# KiCad board the PETER keyboard.kicad_pcb (continued)
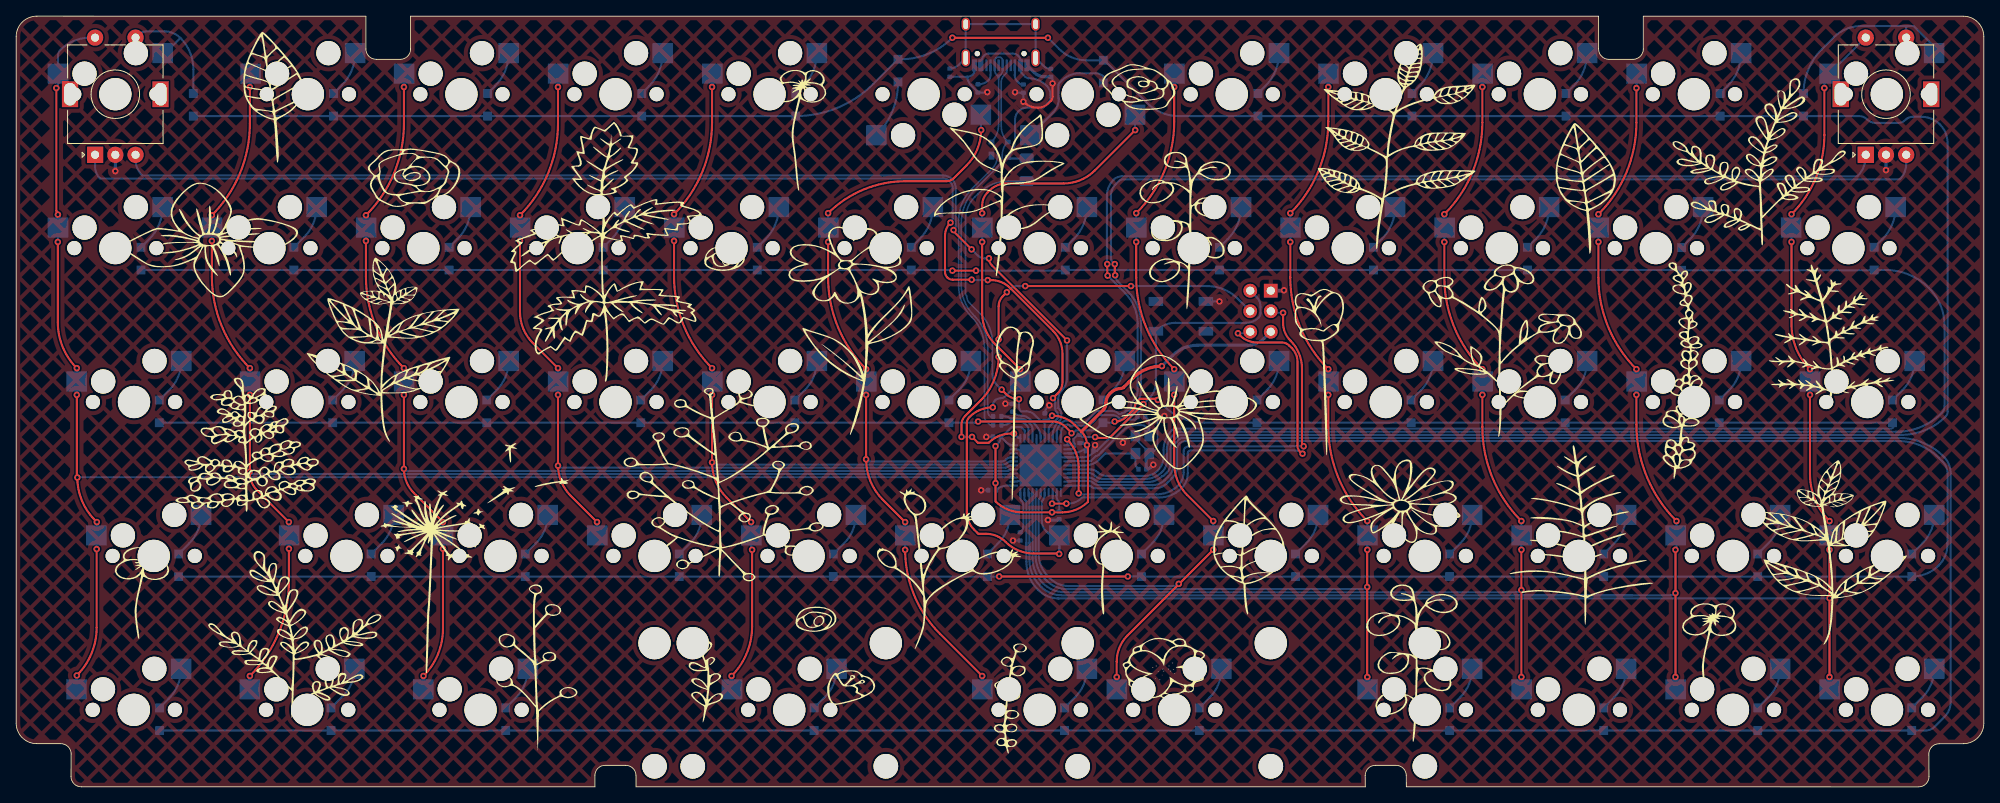
[diagram p0: board, top side]
## Routing (per net, layer and track width the routed paths; a pad name or vN(x,y) marks a point on that pad's centre or on a via; arc(x,y) is an arc through that point) (continued)
  Bottom w0.254: F_USBC1.1 122.97,77.77 arc(122.77,77.81) D59.4 arc(123.28,78.93) 123.51,80.11 123.51,82.56
 ROW3: length 344.7
  Top w0.254: v1(121.56,26.04) v1(137.46,26.04)
  Bottom w0.254: U1.22 132.62,37.28 arc(132.83,37.24) 133,37.12 arc(133.18,37) 133.39,36.96 140.81,36.96 arc(141.61,37.12) 142.28,37.57 142.95,38.24 arc(143.4,38.91) 143.55,39.7 143.55,41.76 arc(143.63,42.16) 143.86,42.5 arc(144.19,42.73) 144.59,42.8 231.29,42.8 231.3,42.8 232.75,42.8 ; D37.1 D38.1 D39.1 D40.1 D41.1 D42.1 121.51,26.02 arc(121.54,26.03) v1(121.56,26.04) ; 232.75,42.8 233.01,42.8 ; 232.75,42.8 arc(235.44,42.26) 237.72,40.74 238.19,40.26 arc(238.66,39.56) 238.83,38.73 238.83,30.18 238.8,30.16 238.8,29.98 arc(238.52,28.59) 237.73,27.4 arc(236.2,26.38) D48.1 D47.1 D46.1 D45.1 D44.1 D43.1 ; 139.12,26.04 v1(137.46,26.04)
COL0: length 202.2
  Top w0.254: v1(9.95,29.43) 9.95,19.71 arc(9.31,16.5) v1(7.5,13.79) ; v1(5.16,70.83) 5.16,70.83 arc(5.15,70.84) 5.15,70.85 ; v1(5.16,70.83) 5.15,70.84 ; v1(5.16,70.83) arc(5.02,71.04) 4.97,71.29 v1(4.97,86.49) ; v1(5.15,67.44) 5.15,57.49 arc(5.76,54.42) v1(7.5,51.82) ; v1(9.97,32.77) 9.75,32.99 arc(8.13,35.42) v1(7.56,38.28) arc(7.51,38.35) 7.5,38.44 v1(7.5,48.52)
  Bottom w0.254: v1(5.16,70.83) 5.16,67.48 arc(5.16,67.46) v1(5.15,67.44) 5.16,67.46 arc(5.17,67.47) 5.17,67.49 ; SW1.S2 9.13,92.73 arc(7.15,92.34) 5.48,91.22 arc(5.25,90.88) 5.17,90.48 MX1.1 5.17,86.99 arc(5.12,86.72) v1(4.97,86.49) ; v1(7.5,13.79) 7.5,12.11 MX49.1 ; 7.49,48.57 7.43,48.52 ; v1(9.97,32.77) 9.97,31.24 arc(9.96,31.18) MX37.1 9.92,29.49 arc(9.93,29.46) v1(9.95,29.43) 9.94,29.44 arc(9.93,29.46) 9.92,29.47 ; v1(7.5,51.82) v1(7.5,48.52) 7.49,48.53 arc(7.49,48.53) 7.49,48.54 ; U1.36 123.32,38.3 arc(123.29,38.32) 123.26,38.32 7.63,38.32 arc(7.6,38.32) 7.58,38.3 v1(7.56,38.28) ; 5.16,86.63 arc(5.17,86.65) 5.17,86.67 ; 5.17,86.68 arc(5.17,86.65) 5.15,86.62
COL1: length 176.9
  Top w0.254: v1(33.72,32.77) 29.79,36.71 arc(29.09,37.75) v1(28.85,38.98) arc(28.88,39.03) 28.9,39.1 v1(28.9,48.52) ; v1(24.2,67.57) 24.2,63.17 arc(25.42,57.03) v1(28.9,51.82) ; v1(33.72,29.47) 33.72,25.37 arc(32.47,19.07) v1(28.9,13.72) ; v1(28.9,86.62) 28.9,82.09 arc(27.68,75.95) v1(24.2,70.74)
  Bottom w0.254: v1(24.2,70.74) v1(24.2,67.57) 24.21,67.58 arc(24.22,67.6) 24.22,67.62 ; U1.37 123.3,38.74 arc(123.26,38.72) 123.21,38.71 29.31,38.71 arc(29.13,38.74) 28.98,38.84 v1(28.85,38.98) ; MX2.1 28.99,86.84 arc(28.96,86.72) v1(28.9,86.62) 28.94,86.66 arc(28.98,86.71) 28.99,86.77 ; v1(28.9,13.72) 28.9,12.07 arc(28.9,12.07) MX50.1 ; v1(28.9,51.82) v1(28.9,48.52) 28.91,48.53 arc(28.92,48.55) 28.92,48.57 ; v1(33.72,32.77) 33.72,31.19 arc(33.73,31.15) MX38.1 33.75,29.53 arc(33.74,29.5) v1(33.72,29.47) 33.74,29.48 arc(33.75,29.5) 33.75,29.52
COL2: length 157.2
  Top w0.254: v1(43.25,67.57) 43.25,63.17 arc(44.47,57.03) v1(47.95,51.82) ; v1(52.77,32.77) 49.19,36.35 arc(48.27,37.73) v1(47.95,39.36) v1(47.95,48.52) ; v1(52.77,29.47) 52.77,19.55 arc(52.15,16.39) v1(50.36,13.72) ; v1(47.95,86.62) 47.95,82.09 arc(46.73,75.95) v1(43.25,70.74)
  Bottom w0.254: MX3.1 47.97,86.68 arc(47.97,86.65) v1(47.95,86.62) 47.96,86.63 arc(47.97,86.65) 47.97,86.67 ; v1(47.95,39.36) 48.08,39.23 arc(48.22,39.13) 48.4,39.1 122.66,39.1 arc(122.67,39.1) 122.67,39.1 ; MX51.1 50.34,13.66 arc(50.34,13.7) v1(50.36,13.72) ; v1(52.77,32.77) 52.77,31.19 arc(52.78,31.15) MX39.1 52.8,29.53 arc(52.79,29.5) v1(52.77,29.47) 52.79,29.48 arc(52.8,29.5) 52.8,29.52 ; v1(47.95,51.82) v1(47.95,48.52) 47.96,48.53 arc(47.97,48.55) 47.97,48.57 ; v1(43.25,70.74) v1(43.25,67.57) 43.26,67.58 arc(43.27,67.6) 43.27,67.62 ; 122.67,39.1 122.67,39.1 ; U1.38 122.98,39.28 arc(122.86,39.26) 122.76,39.19 ; 122.81,39.23 arc(122.66,39.13) 122.47,39.09
COL3: length 118.6
  Top w0.254: v1(67,86.62) 67,82.09 arc(65.78,75.95) v1(62.3,70.74) ; v1(67,48.52) 67,39.85 arc(67.41,37.77) 68.59,36 v1(71.82,32.77) ; v1(62.3,67.57) 62.3,58.77 arc(62.71,56.69) 63.89,54.93 v1(67,51.82)
  Bottom w0.254: v1(71.82,32.77) 71.82,31.19 arc(71.83,31.15) MX40.1 ; v1(62.3,70.74) v1(62.3,67.57) 62.31,67.58 arc(62.32,67.6) 62.32,67.62 ; U1.39 123,39.78 arc(122.82,39.75) 122.66,39.64 arc(122.51,39.54) 122.32,39.5 67.17,39.5 arc(67.12,39.52) 67.1,39.58 67.1,39.58 arc(67.09,39.64) 67.05,39.7 v1(67,39.75) ; v1(67,51.82) v1(67,48.52) 67.01,48.53 arc(67.02,48.55) 67.02,48.57 ; MX4.1 67.02,86.68 arc(67.02,86.65) v1(67,86.62) 67.01,86.63 arc(67.02,86.65) 67.02,86.67
COL4: length 119.3
  Top w0.254: v1(91,29.34) 91,19.85 arc(90.34,16.54) v1(88.46,13.72) ; v1(86.05,86.62) 86.05,82.22 arc(84.83,76.08) v1(81.35,70.87) ; v1(86.05,48.52) v1(86.05,40.16) arc(86.52,37.79) 87.86,35.79 v1(90.87,32.77) ; v1(81.35,67.57) 81.35,63.17 arc(82.57,57.03) v1(86.05,51.82)
  Bottom w0.254: v1(86.05,40.16) 86.18,40.02 arc(86.33,39.92) 86.51,39.88 122.04,39.88 arc(122.3,39.94) 122.52,40.08 arc(122.74,40.23) 123,40.28 U1.40 ; v1(81.35,70.87) v1(81.35,67.57) 81.36,67.58 arc(81.37,67.6) 81.37,67.62 ; v1(91,29.34) 90.95,29.39 arc(90.91,29.45) 90.9,29.51 ; v1(91,29.34) arc(90.91,29.48) 90.87,29.65 v1(90.87,32.77) ; v1(91,29.34) arc(90.93,29.45) 90.9,29.58 ; v1(86.05,51.82) v1(86.05,48.52) 86.06,48.53 arc(86.07,48.55) 86.07,48.57 ; v1(88.46,13.72) 88.46,12.2 arc(88.47,12.13) MX52.1 ; MX5.1 86.07,86.68 arc(86.07,86.65) v1(86.05,86.62) 86.06,86.63 arc(86.07,86.65) 86.07,86.67
COL5: length 109.7
  Top w0.254: v1(100.4,67.44) 100.4,63.04 arc(101.62,56.9) v1(105.1,51.69) ; v1(119.45,13.72) 114.23,18.94 arc(111.04,23.71) v1(109.92,29.34) ; v1(109.92,32.77) 107.18,35.52 arc(105.64,37.82) v1(105.1,40.54) v1(105.1,48.52) ; v1(119.32,81.29) arc(118.85,78.92) 117.51,76.91 115.93,75.33 arc(115.52,75.06) 115.04,74.96 109.96,74.96 arc(104.79,73.93) v1(100.4,71)
  Bottom w0.254: v1(105.1,51.69) v1(105.1,48.52) 105.11,48.53 arc(105.12,48.55) 105.12,48.57 ; MX6.1 119.29,81.33 arc(119.3,81.31) 119.31,81.3 v1(119.32,81.29) ; U1.41 123.01,40.78 arc(122.7,40.72) 122.44,40.55 122.42,40.52 arc(122.14,40.33) 121.8,40.27 105.18,40.27 arc(105.15,40.27) 105.12,40.29 arc(105.1,40.32) 105.1,40.35 v1(105.1,40.54) ; v1(100.4,71) v1(100.4,67.44) 100.41,67.46 arc(100.42,67.47) 100.42,67.49 ; v1(109.92,32.77) v1(109.92,29.34) 109.94,29.36 arc(109.95,29.37) 109.95,29.39 ; MX53.1 arc(119.45,12.1) 119.45,12.14 v1(119.45,13.72) 119.46,13.71 arc(119.47,13.69) 119.47,13.68
COL6: length 94.1
  Top w0.254: v1(119.45,71) 119.45,71.95 arc(119.62,72.83) 120.12,73.58 120.34,73.79 arc(121.32,74.45) 122.48,74.68 129.51,74.68 arc(131.6,75.1) 133.36,76.28 v1(138.37,81.29) ; 129.02,28.89 125.79,28.89 arc(123.93,29.26) 122.35,30.31 arc(121.23,31.06) 119.9,31.32 119.02,31.32 arc(118.97,31.33) 118.93,31.36 118.44,31.85 arc(117.78,32.84) 117.54,34.02 117.54,44.99 arc(117.63,45.41) 117.87,45.77 arc(119.2,46.66) v1(120.76,46.97) ; v1(119.45,67.44) 119.45,58.65 arc(119.86,56.57) 121.04,54.8 v1(124.15,51.69)
  Bottom w0.254: 129,30.56 129,29.33 ; v1(120.76,46.97) 120.76,47.14 arc(120.84,47.52) 121.05,47.83 121.05,47.84 arc(121.33,48.02) 121.66,48.09 arc(122.03,48.16) 122.35,48.38 124.13,50.15 arc(124.15,50.17) MX31.1 124.17,51.63 arc(124.17,51.66) v1(124.15,51.69) ; v1(120.76,46.97) 120.73,46.97 arc(120.71,46.98) 120.72,46.99 ; v1(120.76,46.97) arc(120.77,47.03) 120.81,47.09 ; v1(119.45,71) v1(119.45,67.44) 119.46,67.46 arc(119.47,67.47) 119.47,67.49 ; 127.35,31.65 127.49,31.51 arc(127.93,31.22) 128.44,31.12 ; 127.35,31.65 arc(127.94,31.26) 128.64,31.12 MX43.1 129,28.9 arc(128.99,28.86) v1(128.97,28.83) ; 127.35,31.65 arc(126.96,32.24) 126.82,32.94 126.82,35.31 arc(127.08,35.71) 127.17,36.17 U1.27 ; MX7.1 138.34,81.35 arc(138.35,81.32) v1(138.37,81.29) 138.36,81.3 arc(138.35,81.31) 138.34,81.33
COL7: length 113
  Top w0.254: v1(148.02,32.9) 144.79,36.13 arc(143.61,37.9) 143.2,39.98 v1(143.2,48.52) ; v1(143.2,86.62) 143.2,82.34 arc(141.98,76.2) v1(138.5,71) ; v1(138.5,67.44) 138.5,63.04 arc(139.72,56.9) v1(143.2,51.69) ; v1(136.08,13.59) 136.08,15.5 arc(136.43,17.26) 137.43,18.75 v1(148.02,29.34)
  Bottom w0.254: U1.28 126.67,36.14 arc(126.61,35.83) 126.44,35.57 126.44,28.83 arc(126.74,27.33) 127.59,26.05 127.86,25.79 arc(128.89,25.1) 130.11,24.85 143.1,24.85 arc(143.45,24.92) v1(143.76,25.13) 143.62,24.99 ; v1(148.02,32.9) v1(148.02,29.34) 148.04,29.36 arc(148.05,29.37) 148.05,29.39 ; v1(143.2,51.69) v1(143.2,48.52) 143.21,48.53 arc(143.22,48.55) 143.22,48.57 ; v1(136.08,13.59) 136.08,12.14 arc(136.09,12.1) MX54.1 ; MX8.1 143.22,86.68 arc(143.22,86.65) v1(143.2,86.62) 143.21,86.63 arc(143.22,86.65) 143.22,86.67 ; v1(138.5,71) v1(138.5,67.44) 138.51,67.46 arc(138.52,67.47) 138.52,67.49
COL8: length 131.6
  Top w0.254: v1(162.25,48.52) 162.25,44.55 arc(163.5,38.24) v1(167.07,32.9) ; v1(157.55,67.44) 157.55,63.04 arc(158.77,56.9) v1(162.25,51.69) ; v1(162.25,86.62) 162.25,82.34 arc(161.03,76.2) v1(157.55,71) ; v1(167.07,13.59) arc(167.06,13.61) 167.06,13.62 v1(167.06,24.74) 167.06,29.31 arc(167.06,29.33) v1(167.07,29.34)
  Bottom w0.254: v1(157.55,71) v1(157.55,67.44) 157.56,67.46 arc(157.57,67.47) 157.57,67.49 ; v1(167.07,32.9) v1(167.07,29.34) 167.09,29.36 arc(167.1,29.37) 167.1,29.39 ; MX9.1 162.27,86.68 arc(162.27,86.65) v1(162.25,86.62) 162.26,86.63 arc(162.27,86.65) 162.27,86.67 ; v1(162.25,51.69) v1(162.25,48.52) 162.26,48.53 arc(162.27,48.55) 162.27,48.57 ; v1(167.07,13.59) 167.07,12.14 arc(167.08,12.1) MX55.1 ; v1(167.06,24.74) arc(166.77,24.54) 166.42,24.47 129.96,24.47 arc(128.57,24.75) 127.4,25.53 127.28,25.65 arc(126.38,27.01) 126.06,28.61 126.06,36.16 arc(126.09,36.31) U1.29
COL9: length 168.3
  Top w0.254: v1(181.3,48.52) 181.3,44.55 arc(182.55,38.24) v1(186.12,32.9) ; v1(186.12,29.34) v1(186.12,24.36) v1(186.12,13.59) ; v1(176.6,67.44) 176.6,63.04 arc(177.82,56.9) v1(181.3,51.69) ; v1(181.3,86.62) 181.3,82.22 arc(180.08,76.08) v1(176.6,70.87)
  Bottom w0.254: v1(181.3,51.69) v1(181.3,48.52) 181.31,48.53 arc(181.32,48.55) 181.32,48.57 ; v1(176.6,70.87) v1(176.6,67.44) 176.61,67.46 arc(176.62,67.47) 176.62,67.49 ; MX10.1 181.32,86.68 arc(181.32,86.65) v1(181.3,86.62) 181.31,86.63 arc(181.32,86.65) 181.32,86.67 ; 166.8,24.08 185.46,24.08 arc(185.82,24.16) v1(186.12,24.36) ; 166.78,24.09 129.61,24.09 arc(128.19,24.37) 126.99,25.18 arc(126.02,26.63) 125.68,28.35 125.68,32.81 ; 125.68,32.81 125.68,36.44 ; 125.68,32.81 125.68,36.44 ; 125.68,36.44 arc(125.68,36.44) U1.30 arc(125.68,36.44) 125.68,36.44 ; v1(186.12,13.59) 186.12,12.14 arc(186.13,12.1) MX56.1 ; v1(186.12,32.9) v1(186.12,29.34) 186.14,29.36 arc(186.15,29.37) 186.15,29.39 ; 143.32,24.09 139.57,24.09 ; 141.06,24.09 131.52,24.09
COL10: length 188
  Top w0.254: v1(205.17,13.59) v1(205.17,23.98) v1(205.17,29.34) ; v1(195.65,67.44) 195.65,63.04 arc(196.87,56.9) v1(200.35,51.69) ; v1(200.35,86.49) 200.35,82.22 arc(199.13,76.08) v1(195.65,70.87) ; v1(200.35,48.52) 200.35,44.86 arc(201.63,38.38) v1(205.3,32.9)
  Bottom w0.254: v1(200.35,51.69) v1(200.35,48.52) 200.36,48.53 arc(200.37,48.55) 200.37,48.57 ; 125.29,30.28 125.29,28.73 ; 125.29,30.28 125.29,29.09 ; 125.29,30.28 125.29,36.32 U1.31 ; v1(205.3,32.9) 205.3,29.65 arc(205.27,29.48) v1(205.17,29.34) 205.19,29.36 arc(205.2,29.37) 205.2,29.39 ; v1(195.65,70.87) v1(195.65,67.44) 195.66,67.46 arc(195.67,67.47) 195.67,67.49 ; MX11.1 200.37,86.56 arc(200.37,86.52) v1(200.35,86.49) 200.36,86.51 arc(200.37,86.52) 200.37,86.54 ; 185.31,23.7 199.86,23.7 ; 185.31,23.7 204.51,23.7 arc(204.87,23.77) v1(205.17,23.98) ; 185.31,23.7 165.04,23.7 ; 125.29,29.76 125.29,28.04 arc(125.63,26.35) 126.59,24.92 126.76,24.75 arc(127.91,23.98) 129.27,23.71 165.03,23.71 ; v1(205.17,13.59) 205.17,12.14 arc(205.18,12.1) MX57.1
COL11: length 197.3
  Top w0.254: v1(219.52,67.44) 219.52,57.21 arc(220.12,54.23) v1(221.81,51.69) ; v1(223.59,86.49) 223.59,80.68 arc(222.53,75.37) v1(219.52,70.87) ; v1(221.81,48.52) 221.81,38.72 arc(222.44,35.57) v1(224.22,32.9) ; v1(224.22,29.34) v1(224.22,23.35) v1(224.22,13.59)
  Bottom w0.254: 228.67,92.71 MX12.1 arc(223.75,87.57) 223.59,86.73 v1(223.59,86.49) ; U1.32 124.67,35.57 124.91,35.33 124.91,30.15 ; 124.91,30.15 124.91,29.56 arc(124.91,29.55) 124.91,29.55 124.91,28.89 ; 124.91,30.15 124.91,27.84 arc(125.28,25.98) 126.33,24.41 126.38,24.36 arc(127.54,23.59) 128.9,23.32 ; v1(221.81,51.69) v1(221.81,48.52) arc(221.81,48.52) 221.81,48.52 ; v1(224.22,32.9) v1(224.22,29.34) 224.24,29.36 arc(224.25,29.37) 224.25,29.39 ; 128.9,23.32 128.83,23.32 arc(128.83,23.32) 128.82,23.33 arc(128.82,23.33) 128.82,23.33 ; 128.9,23.32 224.16,23.32 arc(224.19,23.33) v1(224.22,23.35) 224.2,23.32 arc(224.17,23.3) 224.14,23.3 ; v1(219.52,70.87) v1(219.52,67.44) 219.5,67.47 arc(219.48,67.49) 219.47,67.53 ; v1(224.22,13.59) 224.22,12.14 arc(224.23,12.1) MX58.1
D+: length 47.2
  Bottom w0.2: J1.B6 122.48,88.42 arc(122.48,88.39) 122.46,88.37 122.15,88.05 arc(121.9,87.67) 121.81,87.22 121.81,81.75 arc(122.01,80.71) D59.3 122.59,79.8 arc(122.1,79.08) 121.93,78.23 arc(121.77,77.38) 121.28,76.66 118.64,74.02 arc(117.32,72.05) 116.86,69.72 116.86,62.16 arc(117.28,60.08) 118.46,58.31 118.54,58.23 arc(119.72,56.46) 120.13,54.38 120.13,46.4 arc(120.18,46.17) 120.31,45.98 120.49,45.8 120.68,45.8 arc(120.75,45.81) R_USB4.1
D-: length 53.4
  Bottom w0.2: R_USB3.1 120.51,44.79 arc(120.44,44.8) 120.39,44.84 119.95,45.28 arc(119.79,45.51) 119.73,45.79 119.73,54.32 arc(119.32,56.4) 118.14,58.17 118.13,58.18 arc(116.95,59.94) 116.53,62.03 116.53,70.12 arc(116.95,72.2) 118.13,73.97 120.66,76.49 arc(121.16,77.25) 121.33,78.13 arc(121.16,79.02) 120.66,79.77 D59.2 arc(121.25,80.79) 121.48,81.93 121.48,87.54 ; 121.48,87.54 arc(121.42,87.86) 121.23,88.14 ; 121.48,87.54 arc(121.54,87.86) 121.73,88.14 ; 121.23,88.14 arc(121.05,88.41) 120.98,88.74 J1.B7 120.98,89.8 arc(121.03,90.02) 121.15,90.2 121.18,90.23 arc(121.26,90.28) 121.35,90.3 121.69,90.3 arc(121.75,90.29) 121.81,90.25 arc(121.94,90.06) 121.98,89.83 J1.A7 121.98,88.76 arc(121.92,88.42) 121.73,88.14 ; 121.23,88.14 arc(121.48,88.03) 121.73,88.14 ; 120.67,79.84 arc(120.65,79.83) 120.63,79.82 arc(120.62,79.82) 120.62,79.81
MISO: length 59.3
  Top w0.254: v1(128.08,35.06) v1(129.86,35.06) ; v1(151.07,56.14) 151.33,55.88 arc(152.31,55.23) 153.46,55 156.51,55 arc(157,54.9) 157.42,54.62 157.74,54.3 arc(158.26,53.52) 158.44,52.61 158.44,42.22 arc(158.52,41.82) 158.74,41.48 158.94,41.29 arc(159,41.25) v1(159.07,41.23)
  Bottom w0.254: J2.1 152.5,56.23 arc(152.39,56.16) 152.27,56.14 v1(151.07,56.14) ; U1.25 128.17,35.28 arc(128.15,35.16) v1(128.08,35.06) ; v1(129.86,35.06) 130.08,35.06 arc(130.97,35.23) 131.72,35.74 131.79,35.81 ; 131.82,35.82 141.35,35.82 arc(142.85,36.12) 144.11,36.96 arc(144.68,37.81) 144.87,38.8 144.87,41.29 arc(144.9,41.42) 144.97,41.53 arc(145.09,41.61) 145.22,41.64 158.09,41.64 arc(158.62,41.53) v1(159.07,41.23)
MOSI: length 59.1
  Top w0.254: v1(156.66,58.68) 156.66,57.41 arc(156.89,56.24) 157.56,55.24 arc(158.62,53.65) 159,51.77 159,42.64 arc(159.05,42.38) v1(159.2,42.15) ; v1(131.39,36.33) 131.39,39.57 arc(131.01,41.43) v1(129.96,43.02)
  Bottom w0.254: v1(131.39,36.33) 131.45,36.26 arc(131.52,36.22) 131.6,36.2 141.01,36.2 arc(142.47,36.49) 143.7,37.32 arc(144.19,38.05) 144.37,38.91 144.37,41.57 arc(144.4,41.77) 144.52,41.94 arc(144.74,42.09) 145.01,42.14 157.64,42.14 arc(157.67,42.15) 157.7,42.17 ; J2.4 155.23,58.77 arc(155.34,58.7) 155.46,58.68 v1(156.66,58.68) ; 157.7,42.17 159.17,42.17 arc(159.18,42.17) 159.19,42.16 v1(159.2,42.15) ; 157.7,42.17 157.47,42.17 ; U1.12 130.01,42.92 arc(130,42.96) 129.98,42.99 v1(129.96,43.02)
RESET: length 40.3
  Top w0.254: v1(139.39,47.38) 135.56,43.54 arc(135.16,43.28) 134.69,43.19 133.68,43.19 arc(133.54,43.21) v1(133.42,43.29) 133.47,43.24
  Bottom w0.254: v1(139.39,47.38) 140.15,48.14 arc(140.72,48.99) 140.92,50 SW2.2 141,56.46 arc(142.08,57.18) 143.35,57.43 152.07,57.43 arc(152.93,57.61) 153.66,58.1 arc(153.81,58.32) 153.86,58.59 153.86,59.47 arc(153.74,60.09) 153.39,60.62 J2.5 153.3,60.71 ; v1(133.42,43.29) 131.98,43.29 arc(131.8,43.33) 131.65,43.43 R_reset1.2 131.26,43.57 130.75,43.06 130.75,42.6 130.87,42.49 130.87,42.06 arc(130.87,42.06) 130.87,42.05 arc(130.87,42.04) 130.87,42.04 130.75,41.91 arc(130.6,41.82) 130.43,41.78 U1.13
ROTARY_A: length 152.3
  Top w0.254: v1(128.21,48.11) 128.79,48.7 arc(129.23,49.35) 129.38,50.11 129.38,53.6 arc(129.07,55.15) 128.2,56.46 122.91,61.74 arc(121.83,62.46) 120.55,62.72 v1(120.13,62.72) ; v1(118.15,62.77) 115.8,62.77 arc(115.44,62.84) 115.13,63.05 arc(114.92,63.36) 114.85,63.72 114.85,68.19 arc(115.03,69.08) v1(115.53,69.83)
  Bottom w0.254: v1(118.15,62.77) 118.18,62.74 arc(118.21,62.72) 118.24,62.72 v1(120.13,62.72) ; 128.48,46.82 128.48,47.73 arc(128.46,47.83) 128.4,47.92 v1(128.21,48.11) arc(128.41,47.81) 128.48,47.46 128.48,46.82 ; 128.48,46.82 arc(128.52,46.6) 128.65,46.41 arc(128.77,46.23) 128.82,46.01 128.82,45.78 128.84,45.76 128.81,45.74 arc(128.76,45.66) 128.75,45.57 127.86,44.69 ; v1(115.53,69.83) 115.67,69.97 arc(115.77,70.12) 115.8,70.3 115.8,74.09 arc(115.71,74.55) 115.45,74.94 arc(115.06,75.2) 114.61,75.29 10.42,75.29 arc(10.38,75.3) 10.35,75.32 arc(9.91,75.98) 9.76,76.75 SW1.A ; U1.8 127.67,44.24 arc(127.72,44.48) 127.86,44.69 ; 127.86,44.69 arc(127.86,44.68) 127.86,44.68 arc(127.86,44.68) 127.85,44.68
ROTARY_B: length 142.4
  Top w0.25: v1(129.94,55.25) 120.65,64.54 arc(120.38,64.94) v1(120.29,65.41) ; v1(118.14,66.53) 116.02,68.65 arc(115.94,68.77) v1(115.91,68.92)
  Bottom w0.25: v1(120.29,65.41) 119.77,65.41 arc(119.3,65.51) 118.89,65.77 v1(118.14,66.53) ; v1(115.91,68.92) 116.05,69.05 arc(116.15,69.21) 116.18,69.38 116.18,74.09 arc(116.06,74.7) 115.72,75.21 arc(115.21,75.55) 114.6,75.67 ; U1.9 128.17,43.53 arc(128.35,44.39) 128.84,45.13 129.01,45.3 arc(129.17,45.54) 129.23,45.82 129.23,46.23 arc(129.17,46.49) 129.02,46.72 128.87,46.87 arc(128.86,46.88) 128.86,46.89 128.86,48.05 arc(128.97,48.59) 129.27,49.05 arc(129.76,49.79) 129.94,50.65 v1(129.94,55.25)
  Bottom w0.254: SW1.B 14.76,77.67 arc(14.97,76.59) 15.59,75.67 ; 15.59,75.67 114.6,75.67 ; 15.59,75.67 15.57,75.67
ROTARY_C: length 142.1
  Top w0.254: v1(135.84,64.7) 135.84,63.44 arc(135.86,63.37) v1(135.89,63.32)
  Bottom w0.25: U1.11 129.17,43.32 arc(129.17,43.32) 129.18,43.32 arc(129.18,43.32) 129.18,43.32 129.18,43.8 arc(129.26,44.19) 129.48,44.53 129.64,44.69 arc(129.8,44.8) 129.99,44.84 arc(130.18,44.8) 130.34,44.69 131.15,44.69 arc(131.17,44.7) 131.18,44.71 ; 131.18,44.71 131.07,44.71 ; 131.18,44.71 132.11,44.71 arc(132.66,44.82) 133.12,45.13 133.44,45.45 arc(133.52,45.56) 133.54,45.69 arc(133.55,45.7) 133.55,45.71 133.85,46 135.63,46 arc(135.96,45.94) 136.23,45.75 136.39,45.6
  Bottom w0.254: 135.37,73.18 135.37,65.42 arc(135.42,65.19) 135.55,64.99 v1(135.84,64.7) ; 135.37,73.18 135.37,72.84 ; 135.37,73.18 arc(135.52,73.93) 135.95,74.57 136.44,75.06 arc(136.58,75.16) 136.75,75.19 231.21,75.19 ; 231.21,75.19 231.26,75.19 ; 231.21,75.19 arc(231.21,75.19) 231.22,75.19 232.92,75.19 arc(233.5,76.06) 233.71,77.09 SW12.B ; 136.36,45.62 arc(136.45,45.57) 136.55,45.55 136.9,45.55 arc(136.91,45.59) 136.93,45.63 137.41,46.11 arc(137.78,46.18) 138.1,46.39 138.27,46.56 138.27,46.95 arc(138.35,47.34) 138.57,47.68 arc(138.95,48.24) 139.08,48.91 139.08,57.44 arc(138.67,59.53) 137.49,61.29 136.2,62.58 arc(135.97,62.92) v1(135.89,63.32)
ROTARY_D: length 137.1
  Top w0.25: v1(134.92,64.7) 134.92,63.4 arc(134.93,63.33) v1(134.97,63.28)
  Bottom w0.25: U1.10 128.67,43.8 arc(128.79,44.38) 129.12,44.88 129.36,45.11 arc(129.63,45.29) 129.95,45.36 130.24,45.36 arc(130.42,45.32) 130.57,45.22 arc(130.71,45.12) 130.88,45.09 132.1,45.09 arc(132.17,45.1) 132.22,45.14 133.48,46.4 arc(133.61,46.48) 133.76,46.51 135.48,46.51 arc(135.98,46.41) 136.4,46.13 arc(136.6,46.17) 136.77,46.28 arc(136.95,46.32) 137.11,46.42 137.25,46.56 137.66,46.56 137.89,46.79 137.89,47.54 138.2,47.85 ; v1(134.97,63.28) 137.08,61.16 arc(138.26,59.4) 138.68,57.31 138.68,49 arc(138.55,48.38) 138.2,47.85 ; 138.2,47.85 138.3,47.95
  Bottom w0.254: SW12.A 228.71,78.06 arc(228.44,76.71) 227.68,75.57 136.71,75.57 arc(136.18,75.46) 135.73,75.16 135.69,75.13 arc(135.08,74.21) 134.87,73.13 134.87,64.82 arc(134.88,64.76) v1(134.92,64.7)
ROW0: length 373.1
  Top w0.254: v1(115.76,92.72) v1(127.58,92.72)
  Bottom w0.254: U1.20 130.01,38.28 arc(130.02,38.29) 130.02,38.29 132.57,38.29 arc(133.07,38.19) 133.49,37.9 ; v1(127.58,92.72) 128.97,91.32 arc(130.52,90.29) 132.34,89.92 134.5,89.92 arc(134.55,89.91) 134.6,89.88 139.87,84.62 arc(141.63,83.44) 143.71,83.02 D8.1 D9.1 D10.1 D11.1 D12.1 227.86,83.02 arc(228.41,82.91) 228.88,82.6 arc(229.35,82.28) 229.9,82.17 232.7,82.17 arc(233.2,82.27) 233.62,82.56 arc(234.04,82.84) 234.54,82.94 235.58,82.94 arc(236.82,82.69) 237.88,81.98 arc(238.58,80.93) 238.83,79.68 238.83,51.04 238.83,51.04 238.83,46.44 arc(238.78,46.14) 238.61,45.89 ; D1.1 D2.1 D3.1 D4.1 D5.1 arc(101.58,84.05) 105.97,86.99 D6.1 109.33,90.05 arc(112.81,90.74) v1(115.76,92.72) ; 133.33,38.03 arc(133.67,37.81) 134.08,37.72 139.96,37.72 arc(140.89,37.91) 141.67,38.44 arc(141.81,38.46) 141.93,38.54 142.27,38.88 arc(142.62,39.4) 142.74,40.01 142.74,41.85 arc(142.86,42.45) 143.2,42.96 143.65,43.41 arc(143.82,43.53) 144.03,43.57 233.15,43.57 arc(236.07,44.15) 238.55,45.8
ROW1: length 351.5
  Top w0.254: v1(115.76,63.89) v1(118.69,63.89)
  Bottom w0.254: D24.1 231.16,63.97 arc(234.06,63.4) 236.52,61.75 arc(237.95,59.61) 238.45,57.09 238.45,47.12 arc(238.35,46.65) 238.09,46.26 arc(235.53,44.55) 232.51,43.95 ; 233.14,43.95 143.86,43.95 arc(143.51,43.88) 143.2,43.67 142.99,43.46 arc(142.47,42.68) 142.28,41.75 142.28,40.34 arc(142.14,39.61) 141.72,38.99 arc(140.74,38.34) 139.58,38.11 134.34,38.11 arc(133.84,38.2) 133.42,38.49 arc(133,38.77) 132.5,38.87 130.16,38.87 arc(130.1,38.86) 130.05,38.82 ; D13.1 D14.1 D15.1 D16.1 D17.1 D18.1 115.56,63.97 arc(115.67,63.95) v1(115.76,63.89) 115.72,63.93 arc(115.67,63.96) 115.62,63.97 ; 229.67,63.94 D23.1 arc(205.9,63.96) 205.86,63.97 D22.1 D21.1 D20.1 D19.1 arc(129.64,63.91) 129.53,63.89 v1(118.69,63.89) 118.73,63.93 arc(118.78,63.96) 118.83,63.97
ROW2: length 325.3
  Top w0.254: 136.26,45.22 v1(135.83,45.22) arc(136.62,45.38) 137.3,45.82 138.05,46.58 arc(138.3,46.96) 138.39,47.4 arc(138.4,47.47) 138.44,47.53 138.95,48.03 141.02,48.03 v1(141.16,47.88) ; v1(118.94,45.22) 128.13,45.22 arc(129.03,45.04) 129.79,44.53 130.46,43.86 arc(130.49,43.82) v1(130.5,43.77)
  Bottom w0.254: D36.1 D35.1 D34.1 D33.1 D32.1 146.94,45.07 arc(144.2,45.62) 141.88,47.17 v1(141.16,47.88) ; D36.1 arc(232.06,45.06) 232.1,45.04 ; D36.1 arc(232.08,44.98) 232.1,44.88 232.1,44.48 arc(231.93,44.37) 231.73,44.33 ; U1.18 132.89,39.28 arc(133.35,39.19) 133.74,38.93 arc(134.23,38.6) 134.81,38.49 139.57,38.49 arc(140.43,38.66) 141.16,39.15 arc(141.69,39.93) 141.88,40.86 141.88,41.67 arc(142.14,43) 142.89,44.13 arc(143.12,44.28) 143.38,44.33 231.64,44.33 ; v1(130.5,43.77) 130.6,43.77 arc(130.69,43.79) 130.77,43.84 131.04,44.11 132.98,44.11 arc(133.39,44.19) 133.74,44.43 D31.1 135.48,45.07 arc(135.67,45.11) v1(135.83,45.22) ; D25.1 D26.1 D27.1 D28.1 D29.1 D30.1 118.59,45.07 arc(118.78,45.11) v1(118.94,45.22) 118.87,45.15 arc(118.79,45.09) 118.69,45.07
ROW4: length 367.3
  Bottom w0.254: U1.21 130.05,37.82 arc(130.08,37.84) 130.13,37.85 132.62,37.85 arc(132.95,37.79) 133.23,37.6 arc(133.51,37.41) 133.84,37.34 140.48,37.34 ; 140.48,37.34 140.65,37.34 ; 140.48,37.34 arc(141.32,37.51) 142.04,37.99 142.5,38.45 arc(142.98,39.17) 143.15,40.01 143.15,41.92 arc(143.23,42.31) 143.45,42.65 143.85,43.05 arc(144,43.15) 144.17,43.19 232.76,43.19 arc(235.78,42.58) 238.35,40.87 arc(238.98,39.92) 239.21,38.79 239.21,10.5 arc(239.01,9.51) 238.45,8.67 237.18,7.4 arc(236.71,7.08) 236.15,6.97 D58.1 D57.1 D56.1 D55.1 D54.1 D53.1 D52.1 D51.1 D50.1 D49.1
SCK: length 59.3
  Top w0.254: v1(118.2,43.31) 118.92,42.59 120.26,42.59 arc(121.52,43.43) 123.01,43.73 v1(123.38,43.73) ; v1(124.78,61.98) v1(137.84,61.98) ; v1(116.89,43.31) 116.89,44.82 arc(117.01,45.4) 117.34,45.9 119.23,47.8 arc(120.9,50.29) v1(121.48,53.22) ; v1(122.5,61.22) 121.99,60.71 arc(121.61,60.15) 121.48,59.49 v1(121.48,55.38)
  Bottom w0.254: v1(124.78,61.98) 123.8,61.98 arc(123.3,61.88) 122.88,61.6 v1(122.5,61.22) ; v1(121.48,55.38) v1(121.48,53.22) ; J2.3 151.04,60.43 arc(149.32,61.58) 147.28,61.98 v1(137.84,61.98) ; v1(116.89,43.31) v1(118.2,43.31) ; v1(123.38,43.73) 123.86,43.25 arc(124.01,43.15) U1.1
Net-(C_crystal1-Pad2): length 11
  Bottom w0.254: 138.78,39.31 138.59,39.5 arc(138.46,39.7) 138.41,39.94 Y1.1 134.72,41.26 arc(134.71,41.26) 134.7,41.27 arc(134.69,41.27) 134.68,41.27 133.94,40.53 arc(133.11,39.98) 132.13,39.78 U1.17
Net-(C_crystal2-Pad2): length 15.2
  Bottom w0.25: 134.38,41.62 136.83,44.07 arc(137.61,44.59) 138.53,44.77 139.13,44.77 arc(139.5,44.7) 139.82,44.49 139.85,44.46 arc(140.04,44.17) 140.11,43.83 140.11,43.64 140.11,44.97 arc(140.05,45.29) 139.86,45.57 C_crystal2.2 ; 134.38,41.62 133.85,41.08 arc(133.68,40.98) 133.49,40.94 132.89,40.33 130.1,40.33 arc(130.06,40.33) 130.04,40.31 U1.16 ; 134.38,41.62 134.17,41.4
Net-(C_UCAP1-Pad1): length 5.3
  Bottom w0.254: U1.6 126.67,43.29 arc(126.51,44.1) 126.05,44.8 125.33,45.52 arc(124.87,45.83) 124.32,45.93 arc(123.73,46.05) 123.24,46.38 C_UCAP1.1
Net-(C_USBSHIELD1-Pad1): length 21.8
  Bottom w0.254: R_USBSHIELD1.1 arc(116.05,89.03) 116.56,89.37 J1.S1 J1.S1 J1.S1 J1.S1 127.06,89.21 arc(127.46,88.95) C_USBSHIELD1.1
Net-(D1-Pad2): length 16.3
  Bottom w0.254: D1.2 21.91,88.83 arc(21.5,90.92) 20.31,92.69 ; 20.31,92.69 18.67,91.04 arc(18.41,90.87) 18.1,90.81 ; 20.31,92.69 arc(19.41,93.29) 18.35,93.5 16.04,93.5 arc(15.57,93.41) 15.17,93.14 SW1.S1
Net-(D2-Pad2): length 5.9
  Bottom w0.254: D2.2 40.27,86.85 arc(41.49,88.67) MX2.2
Net-(D3-Pad2): length 5.8
  Bottom w0.254: D3.2 59.21,86.74 arc(60.46,88.61) MX3.2
Net-(D4-Pad2): length 5.8
  Bottom w0.254: D4.2 78.26,86.74 arc(79.51,88.61) MX4.2
Net-(D5-Pad2): length 5.8
  Bottom w0.254: D5.2 97.31,86.74 arc(98.56,88.61) MX5.2
Net-(D6-Pad2): length 7.3
  Bottom w0.254: D6.2 109.03,87.09 arc(108.34,83.6) MX6.2
Net-(D7-Pad2): length 14.6
  Bottom w0.254: MX7.2 128.2,83.44 arc(128.74,84.23) 128.92,85.17 arc(128.88,85.23) 128.87,85.29 128.87,86.85 arc(128.9,86.99) 128.98,87.11 129.28,87.41 arc(130.29,88.08) 131.49,88.32 133.49,88.32 arc(134,88.22) 134.43,87.93 D7.2
Net-(D8-Pad2): length 5.8
  Bottom w0.254: D8.2 154.46,86.74 arc(155.71,88.61) MX8.2
Net-(D9-Pad2): length 5.8
  Bottom w0.254: D9.2 173.51,86.74 arc(174.76,88.61) MX9.2
Net-(D10-Pad2): length 5.8
  Bottom w0.254: D10.2 192.56,86.74 arc(193.81,88.61) MX10.2
Net-(D11-Pad2): length 5.8
  Bottom w0.254: D11.2 211.61,86.74 arc(212.86,88.61) MX11.2
Net-(D12-Pad2): length 24.2
  Bottom w0.254: SW12.S1 233.71,94.08 arc(233.7,94.12) 233.67,94.16 ; 233.67,94.16 234.64,94.16 236.56,92.24 arc(237,91.58) MX12.2 ; 233.67,94.16 228.09,94.16 arc(226.3,93.81) 224.78,92.79 223.28,91.29 arc(221.6,88.78) D12.2
Net-(D13-Pad2): length 5.9
  Bottom w0.254: D13.2 16.46,67.8 arc(17.68,69.62) 18.1,71.76
Net-(D14-Pad2): length 5.9
  Bottom w0.254: D14.2 35.62,68.05 arc(36.75,69.75) MX14.2
Net-(D15-Pad2): length 5.9
  Bottom w0.254: D15.2 54.56,67.8 arc(55.78,69.62) MX15.2
Net-(D16-Pad2): length 5.9
  Bottom w0.254: D16.2 73.61,67.8 arc(74.83,69.62) MX16.2
Net-(D17-Pad2): length 5.9
  Bottom w0.254: D17.2 92.66,67.8 arc(93.88,69.62) MX17.2
Net-(D18-Pad2): length 5.9
  Bottom w0.254: D18.2 111.71,67.8 arc(112.93,69.62) 113.35,71.76
Net-(D19-Pad2): length 5.9
  Bottom w0.254: D19.2 130.76,67.8 arc(131.98,69.62) MX19.2
Net-(D20-Pad2): length 5.9
  Bottom w0.254: D20.2 149.81,67.8 arc(151.03,69.62) 151.45,71.76
Net-(D21-Pad2): length 5.9
  Bottom w0.254: D21.2 168.86,67.8 arc(170.08,69.62) MX21.2
Net-(D22-Pad2): length 5.9
  Bottom w0.254: D22.2 187.91,67.8 arc(189.13,69.62) MX22.2
Net-(D23-Pad2): length 5.9
  Bottom w0.254: D23.2 206.94,67.74 arc(208.17,69.59) MX23.2
Net-(D24-Pad2): length 5.8
  Bottom w0.254: D24.2 230.75,67.78 arc(231.97,69.6) MX24.2
